# Altium PCB 运动控制板.PcbDoc (part 1 of 3)
Units mil, origin at the board's own origin, x right, y up, seen from the top; angles counter-clockwise.
Board outline 4921.26 x 3543.31 mil, 2 copper layers (Top Layer, Bottom Layer); 234 components, 177 nets, 792 pads, 437 vias.
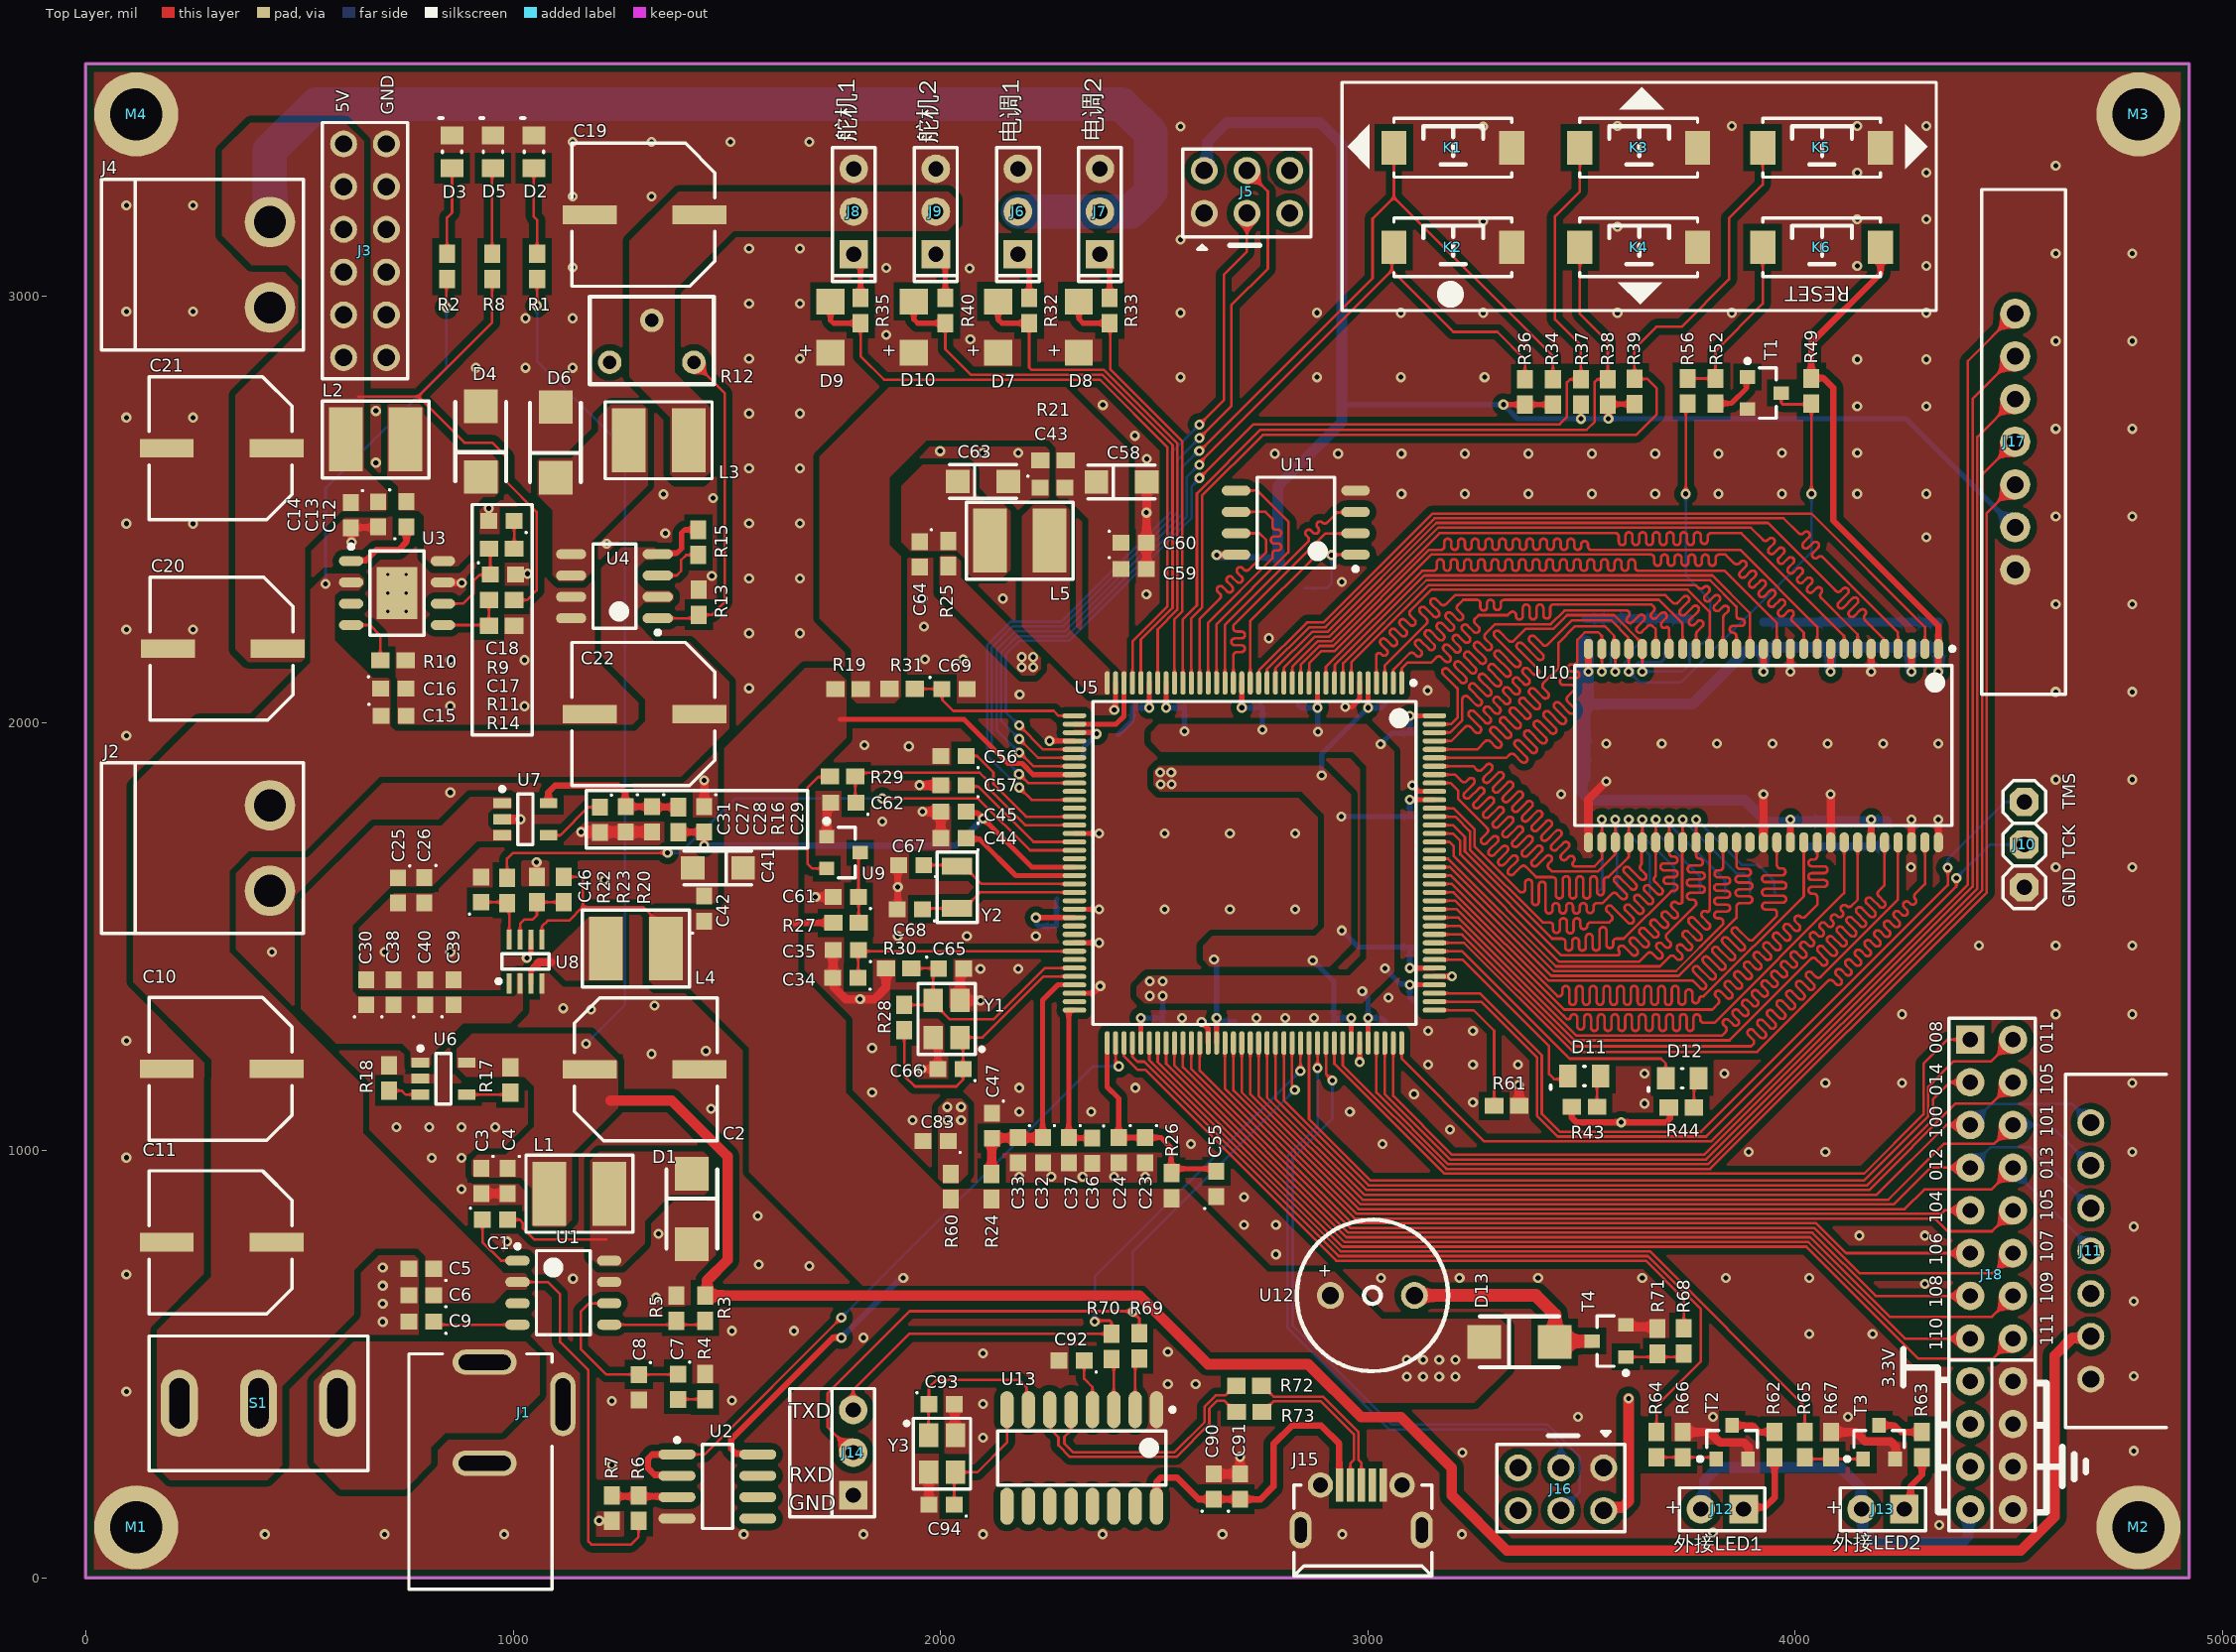
[diagram p0: Top Layer view]
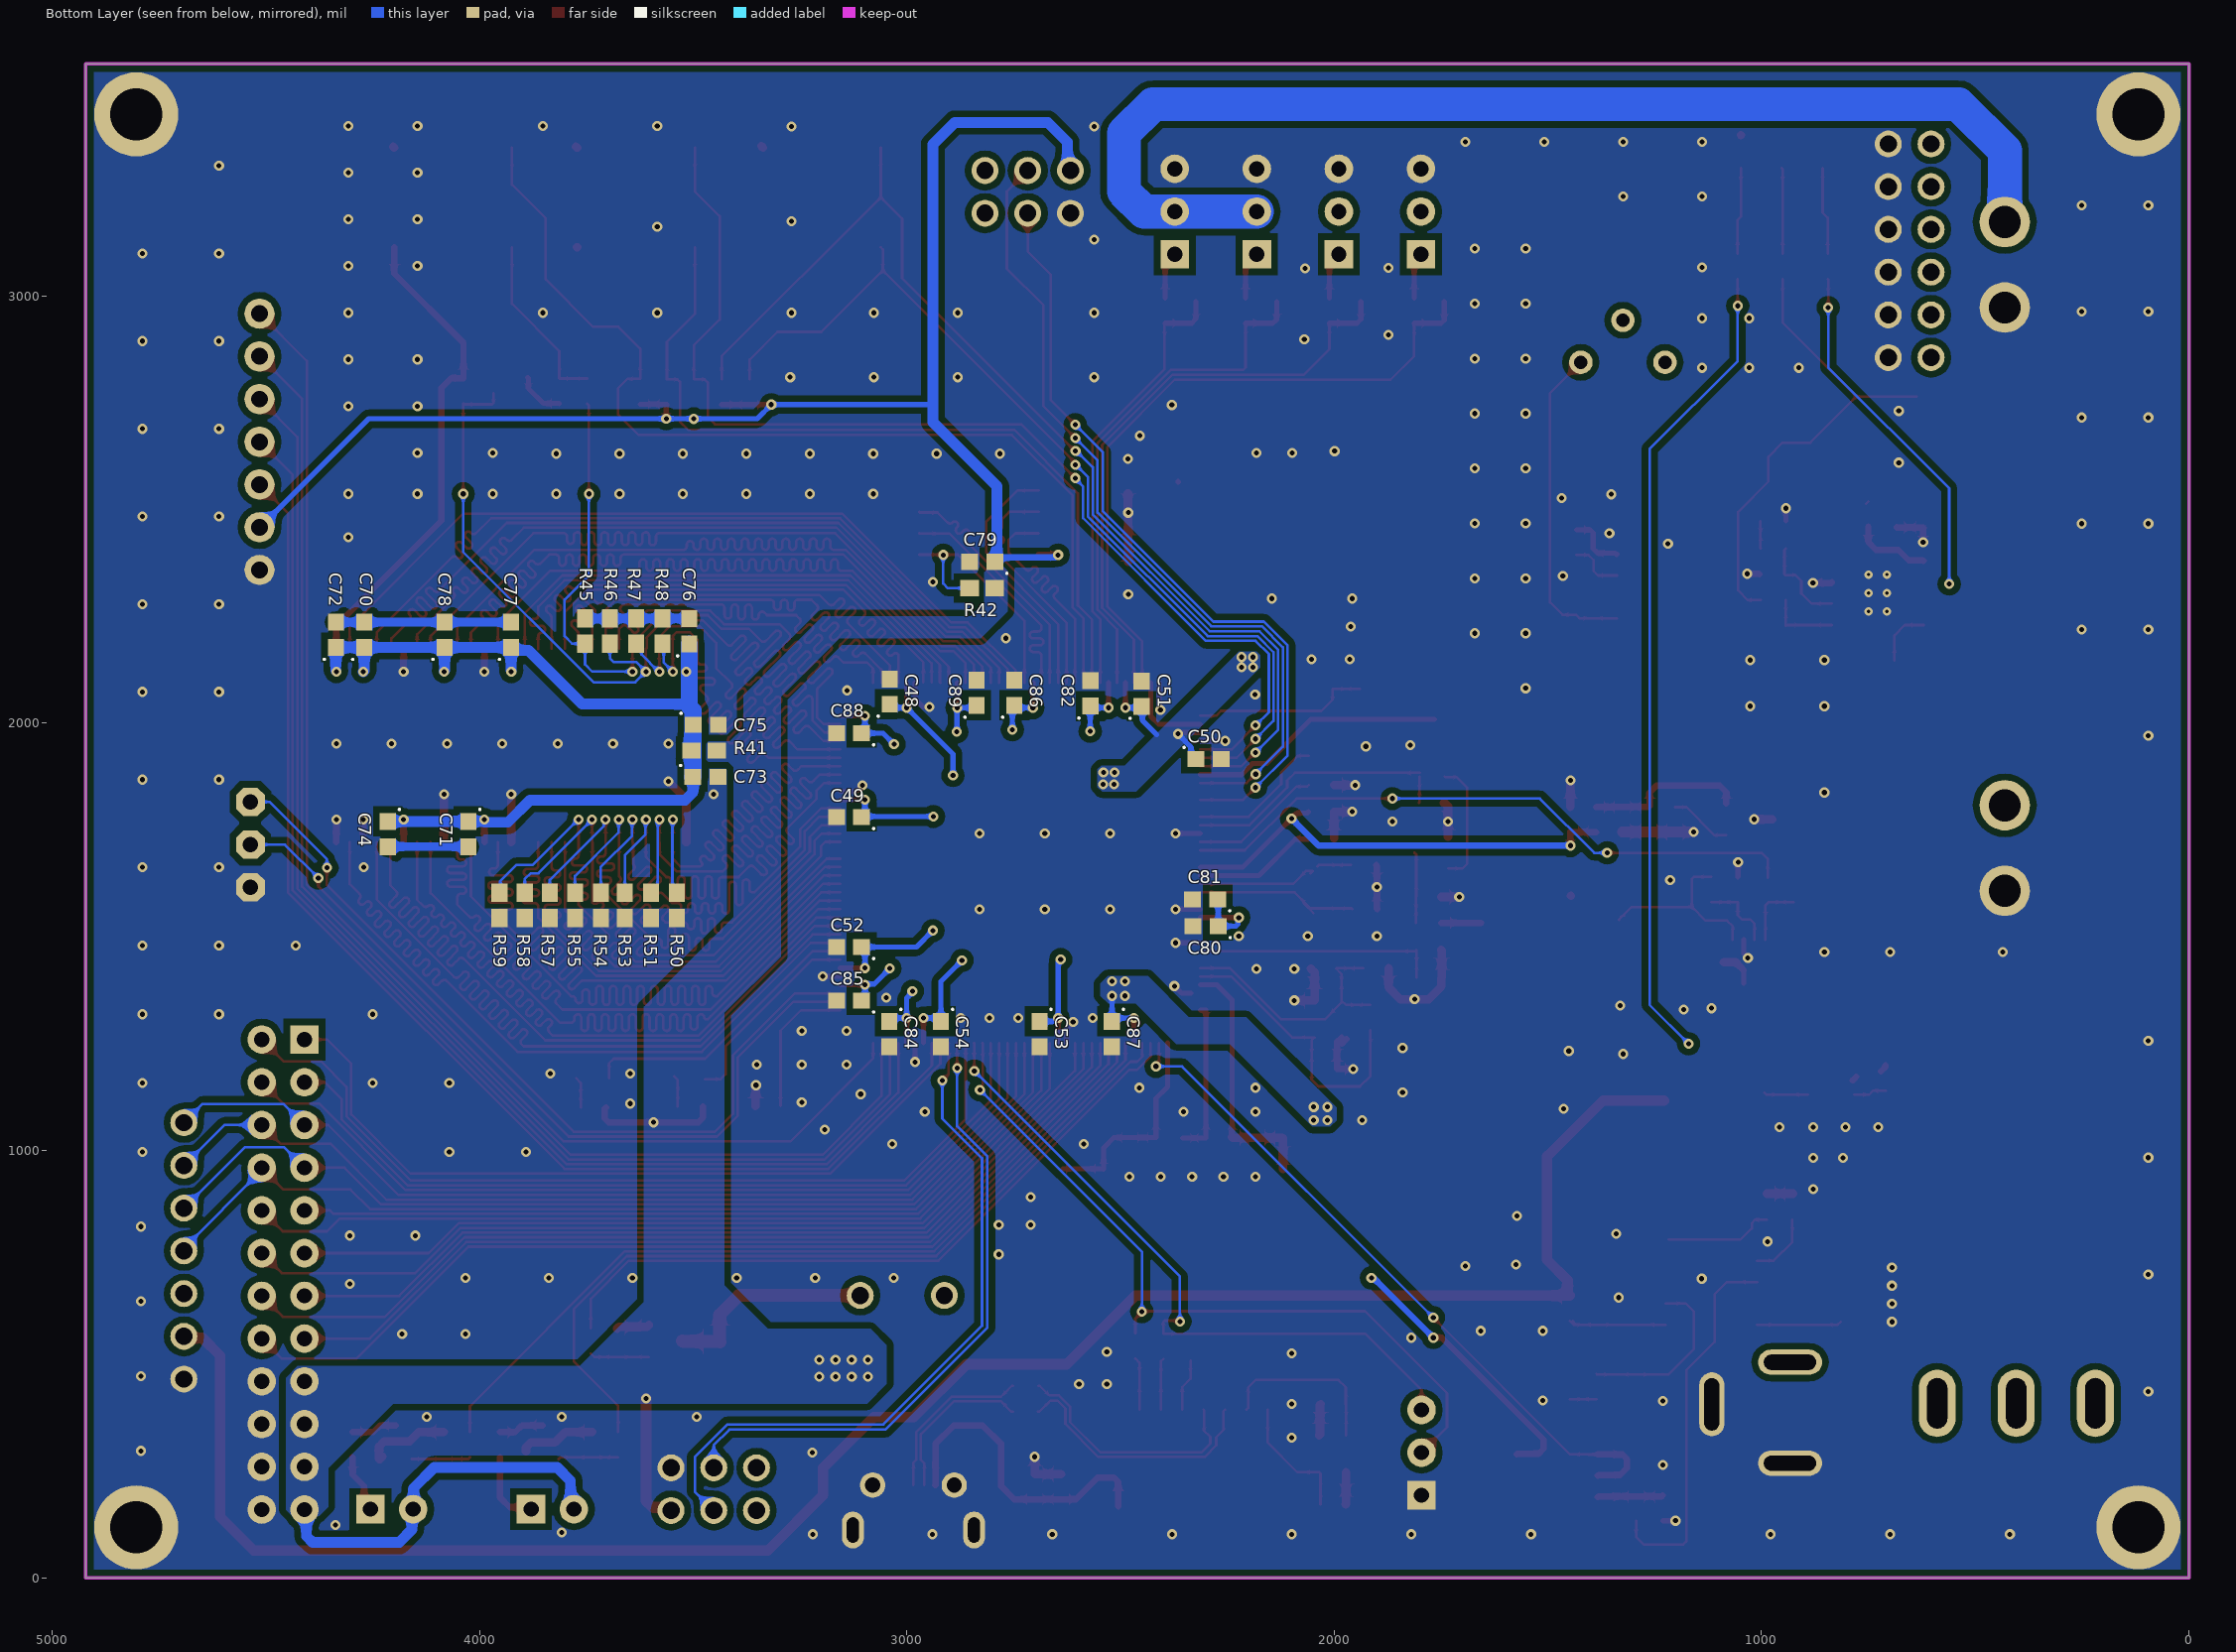
[diagram p1: Bottom Layer view, seen from below]

## Layer stack, top to bottom
Top Solder: solder mask 0.4, Solder Resist, Dk 3.5
Top Layer: signal copper 1.4
Dielectric1: dielectric 12.6, FR-4, Dk 4.8
Bottom Layer: signal copper 1.4
Bottom Solder: solder mask 0.4, Solder Resist, Dk 3.5

## Board outline
0,0 0,3543.31 4921.26,3543.31 4921.26,0

## Design rules (kind name [scope] priority, off if disabled: settings)
Clearance "Bottom GND" [InNamedPolygon('Bottom Layer All GND')] p1: gap=15 ignorepadtopadclearanceinfootprint=FALSE except(0: Arc-Hole Track-Hole SMDPad-Hole THPad-Hole Via-Hole Fill-Hole Poly-Hole Region-Hole Text-Hole)
Clearance "Top GND" [InNamedPolygon('Top Layer All GND')] p2: gap=15 ignorepadtopadclearanceinfootprint=FALSE except(0: Arc-Hole Track-Hole SMDPad-Hole THPad-Hole Via-Hole Fill-Hole Poly-Hole Region-Hole Text-Hole)
Clearance [All] p3: gap=5 ignorepadtopadclearanceinfootprint=FALSE except(0: Arc-Hole Track-Hole SMDPad-Hole THPad-Hole Via-Hole Fill-Hole Poly-Hole Region-Hole Text-Hole)
FabricationTestpoint [(IsPad And (OnTopLayer Or OnBottomLayer))] p1: side=3 testpointundercomponent=TRUE minsize=40 maxsize=100 preferedsize=60 minholesize=0 maxholesize=40 preferedholesize=32 testpointgrid=1 allowsidetop=TRUE allowsidebottom=TRUE usegrid=TRUE gridtolerance=0.01
HoleSize [All] p1: absolutevalues=TRUE maxlimit=300 minlimit=1 maxpercent=80.000 minpercent=20.000
Length ram_d [InNetClass('SDRAM_D')] p1: maxlimit=1901 minlimit=1900
Length flash [InNetClass('FLASH')] p2: maxlimit=600 minlimit=599
MinimumSolderMaskSliver [All] p1: minsoldermaskwidth=1
PlaneConnect [All] p1: planeconnectstyle=Direct reliefexpansion=20 reliefentries=4 reliefconductorwidth=10 reliefairgap=10
PolygonConnect [All] p1: connectstyle=Direct reliefconductorwidth=10 reliefentries=4 polygonreliefangle="90 Angle" airgapwidth=10
RoutingVias [All] p1: holewidth=11.81 width=23.62 viastyle="Through Hole" minholewidth=11.81 minwidth=23.62 maxholewidth=39.37 maxwidth=59.06
SilkToSilkClearance [All] p1: silktosilkclearance=0
SilkToSolderMaskClearance [IsPad] p1: minsilkscreentomaskgap=1 clearancetoexposedcopper=TRUE
SolderMaskExpansion [All] p1: expansion=4 istentingtop=FALSE
Width [All] p1: maxlimit=300 minlimit=5 preferedwidth=5
24 further rules are at their usual default settings.

## Classes and differential pairs
net class SDRAM_D: EMC_00 EMC_01 EMC_02 EMC_03 EMC_04 EMC_05 EMC_06 EMC_07 EMC_32 EMC_33 EMC_34 EMC_35 EMC_36 EMC_37 EMC_38 EMC_39
net class SDRAM_A: BT_CFG0 BT_CFG1 BT_CFG2 BT_CFG3 BT_CFG4 BT_CFG5 BT_CFG6 BT_CFG7 BT_CFG8 BT_CFG9 BT_MOD0 BT_MOD1 EMC_08 EMC_09 EMC_10 EMC_11 EMC_12 EMC_13 EMC_14 EMC_15 EMC_29 EMC_30 EMC_31
net class FLASH: FlexSPI_CLK FlexSPI_D0_A FlexSPI_D1_A FlexSPI_D2_A FlexSPI_D3_A
component class "04 板卡外部接口": C80 C81 C82 C83 C84 C85 C86 C87 C88 C89 C90 C91 C92 C93 C94 D13 J10 J11 J12 J13 J14 J15 J16 J17 J18 R60 R61 R62 R63 R64 R65 R66 R67 R68 R69 R70 R71 R72 R73 T2 T3 T4 U12 U13 Y3
component class "03 存储器扩展与BOOT": C70 C71 C72 C73 C74 C75 C76 C77 C78 C79 D7 D8 D9 D10 D11 D12 J5 J6 J7 J8 J9 K1 K2 K3 K4 K5 K6 R32 R33 R34 R35 R36 R37 R38 R39 R40 R41 R42 R43 R44 R45 R46 R47 R48 R49 R50 R51 R52 R53 R54 R55 R56 R57 R58 R59 T1 U10 U11
component class "02 MCU电源": C23 C24 C25 C26 C27 C28 C29 C30 C31 C32 C33 C34 C35 C36 C37 C38 C39 C40 C41 C42 C43 C44 C45 C46 C47 C48 C49 C50 C51 C52 C53 C54 C55 C56 C57 C58 C59 C60 C61 C62 C63 C64 C65 C66 C67 C68 C69 L4 L5 R16 R17 R18 R19 R20 R21 R22 R23 R24 R25 R26 R27 R28 R29 R30 R31 U5 U6 U7 U8 U9 Y1 Y2
component class "01 板卡电源": C1 C2 C3 C4 C5 C6 C7 C8 C9 C10 C11 C12 C13 C14 C15 C16 C17 C18 C19 C20 C21 C22 D1 D2 D3 D4 D5 D6 J1 J2 J3 J4 L1 L2 L3 M1 M2 M3 M4 R1 R2 R3 R4 R5 R6 R7 R8 R9 R10 R11 R12 R13 R14 R15 S1 U1 U2 U3 U4
from-to class sdram: "BT_CFG0 (U10-25 : U5-140)" "BT_CFG1 (U10-26 : U5-139)" "BT_CFG2 (U5-138 : U10-29)" "BT_CFG3 (U10-30 : U5-137)" "BT_CFG4 (U5-136 : U10-31)" "BT_CFG5 (U10-32 : U5-133)" "BT_CFG6 (U10-33 : U5-132)" "BT_CFG7 (U10-34 : U5-131)" "BT_CFG8 (U5-130 : U10-35)" "BT_CFG9 (U10-36 : U5-129)" "BT_MOD0 (U5-142 : U10-23)" "BT_MOD1 (U10-24 : U5-141)"

## Components (designator, comment, footprint, x,y, rotation, side; value= is the part's Value field where it differs from the comment)
C1 "0.1uF" cap0603 957.78,838.3 r0 top
C2 "470uF" CAP8X10.5MM 1182.64,1189.99 r180 top
C3 "0.1uF" cap0603 925.99,928.79 r270 top
C4 "0.1uF" cap0603 987.3,928.79 r270 top
C5 "0.1uF" cap0603 785.14,723.2 r180 top
C6 "0.1uF" cap0603 785.14,661.51 r180 top
C7 "0.1uF" cap0603 1385.99,447.22 r270 top
C8 "0.1uF" cap0603 1294.27,446.22 r270 top
C9 "0.1uF" cap0603 785.14,599.39 r180 top
C10 "470uF" CAP8X10.5MM 443.13,1190.95 r0 top
C11 "470uF" CAP8X10.5MM 443.13,785.34 r0 top
C12 "0.1uF" cap0603 750.34,2489.42 r90 top
C13 "0.1uF" cap0603 684.04,2488.85 r270 top
C14 "0.1uF" cap0603 620.51,2486.91 r270 top
C15 "0.1uF" cap0603 720.15,2017.35 r0 top
C16 "0.1uF" cap0603 719.15,2081.66 r0 top
C17 "0.1uF" cap0603 976.14,2348.68 r0 top
C18 "0.1uF" cap0603 972.85,2473.58 r180 top
C19 "470uF" CAP8X10.5MM 1432.64,3190.16 r0 top
C20 "470uF" Cap8x10.5mm 445.64,2174.79 r0 top
C21 "470uF" CAP8X10.5MM 443.13,2643.99 r0 top
C22 "470uF" Cap8x10.5mm 1432.64,2021.79 r0 top
C23 "0.1uF" cap0603 2478.66,1000.74 r270 top
C24 "0.1uF" cap0603 2416.97,1000.74 r270 top
C25 "0.1uF" cap0603 730.89,1608.69 r270 top
C26 "0.1uF" cap0603 792.36,1609.59 r270 top
C27 "0.1uF" cap0603 1263.8,1775.16 r270 top
C28 "0.1uF" cap0603 1325.49,1775.16 r270 top
C29 "0.1uF" cap0603 1447.26,1775.27 r270 top
C30 "0.1uF" cap0603 655.94,1370.53 r90 top
C31 "0.1uF" cap0603 1202.96,1774.27 r270 top
C32 "0.1uF" cap0603 2239.65,1000.74 r270 top
C33 "0.1uF" cap0603 2181.35,1000.74 r270 top
C34 "0.1uF" cap0603 1777.62,1404.58 r180 top
C35 "0.1uF" cap0603 1778.62,1469.27 r180 top
C36 "0.1uF" cap0603 2354.55,999.74 r270 top
C37 "0.1uF" cap0603 2300.04,1000.74 r270 top
C38 "0.1uF" cap0603 719.85,1370.53 r90 top
C39 "0.1uF" cap0603 860.64,1370.53 r90 top
C40 "0.1uF" cap0603 794.26,1370.53 r90 top
C41 "22uF" CASE-A_3216 1479.12,1661.2 r0 top
C42 "0.1uF" cap0603 1446.78,1566.53 r90 top
C43 "0.1uF" cap0603 2262.07,2551.32 r0 top
C44 "0.1uF" cap0603 2030.22,1731.04 r180 top
C45 "0.1uF" cap0603 2030.22,1793.11 r180 top
C46 "0.1uF" cap0603 924.96,1610.86 r90 top
C47 "0.1uF" cap0603 2120.01,1058.21 r270 top
C48 "0.1uF" cap0603 3040.02,2074.23 r90 bottom
C49 "0.1uF" cap0603 3135.23,1780.67 r0 bottom
C50 "0.1uF" cap0603 2293.77,1916.4 r180 bottom
C51 "0.1uF" cap0603 2450.71,2069.23 r90 bottom
C52 "0.1uF" cap0603 3135.23,1476.37 r0 bottom
C53 "0.1uF" cap0603 2689.75,1272.77 r270 bottom
C54 "0.1uF" cap0603 2920.06,1272.77 r270 bottom
C55 "0.1uF" cap0603 2645.29,921.99 r90 top
C56 "0.1uF" cap0603 2030.22,1923.42 r180 top
C57 "0.1uF" cap0603 2030.22,1855.21 r180 top
C58 "22uF" CASE-A_3216 2423.74,2564.9 r180 top
C59 "4.7uF" cap0603 2452.26,2360.61 r0 top
C60 "0.22uF" cap0603 2452.26,2422.48 r0 top
C61 "0.1uF" cap0603 1778.62,1593.54 r180 top
C62 "0.1uF" cap0603 1772.62,1813.93 r180 top
C63 "33uF" CASE-A_3216 2099.45,2566.21 r180 top
C64 "0.22uF" cap0603 1951.48,2395.45 r270 top
C65 "12pF" cap0603 2025.12,1425.76 r0 top
C66 "12pF" cap0603 2023.22,1190.73 r180 top
C67 "12.5pF" cap0603 1931.24,1668.23 r180 top
C68 "12.5pF" cap0603 1928.24,1564.66 r180 top
C69 "0.22uF" cap0603 2033.03,2080.41 r0 top
C70 "0.1uF" cap0603 4269.45,2207.18 r90 bottom
C71 "0.1uF" cap0603 4026.17,1740.82 r270 bottom
C72 "0.1uF" cap0603 4336.14,2207.18 r90 bottom
C73 "0.1uF" cap0603 3471.82,1874.31 r180 bottom
C74 "0.1uF" cap0603 4214.48,1740.82 r270 bottom
C75 "0.1uF" cap0603 3470.7,1996.4 r180 bottom
C76 "0.1uF" cap0603 3509.38,2215.18 r90 bottom
C77 "0.1uF" cap0603 3926.07,2207.18 r90 bottom
C78 "0.1uF" cap0603 4081.76,2207.18 r90 bottom
C79 "0.1uF" cap0603 2823.6,2377.92 r0 bottom
C80 "0.1uF" cap0603 2301.06,1525.4 r0 bottom
C81 "0.1uF" cap0603 2302.06,1588.19 r0 bottom
C82 "0.1uF" cap0603 2570.29,2069.76 r90 bottom
C83 "0.1uF" cap0603 1988.47,1022.73 r180 top
C84 "0.1uF" cap0603 3041.02,1272.77 r270 bottom
C85 "0.1uF" cap0603 3135.23,1351.33 r0 bottom
C86 "0.1uF" cap0603 2748.6,2071.76 r90 bottom
C87 "0.1uF" cap0603 2520.33,1272.77 r270 bottom
C88 "0.1uF" cap0603 3135.23,1976.78 r0 bottom
C89 "0.1uF" cap0603 2836.91,2071.76 r90 bottom
C90 "0.1uF" cap0603 2639.13,213.43 r90 top
C91 "0.1uF" cap0603 2700.82,213.43 r90 top
C92 "0.1uF" cap0603 2306.57,508.51 r180 top
C93 "12pF" cap0603 2002.43,406.25 r0 top
C94 "12pF" cap0603 2002.57,171.44 r180 top
D1 "SS54" SMA(DO-214AC) 1417.84,863.09 r270 top
D2 "LED" LED 1048.44,3337.64 r90 top
D3 "LED" LED 857.21,3337.64 r90 top
D4 "SS54" SMA(DO-214AC) 924.46,2659.19 r90 top
D5 "LED" LED 952.83,3337.64 r90 top
D6 "SS54" SMA(DO-214AC) 1099.5,2657.5 r90 top
D7 "ZMM3V3" LL34 2134.63,2927.2 r90 top
D8 "ZMM3V3" LL34 2323.63,2927.2 r90 top
D9 "ZMM3V3" LL34 1742.63,2927.2 r90 top
D10 "ZMM3V3" LL34 1937.63,2927.2 r90 top
D11 "LED" LED 3506.36,1174.21 r180 top
D12 "LED" LED 3735.36,1169.21 r180 top
D13 "SS54" SMA(DO-214AC) 3354.64,551.79 r0 top
J1 "DC输入插座" DC_IN 933.32,-26.95 r90 top
J2 "接插件1" 5.08_2P 430.94,1807.98 r270 top
J3 "2x6" 2*8 603.43,3355.98 r0 top
J4 "接插件1" 5.08_2P 430.94,3173.28 r270 top
J5 "2x6" LQ256Encoder 2817.1,3293.87 r270 top
J6 "1X3" HDR-1X3 2181.11,3097.79 r90 top
J7 "1X3" HDR-1X3 2373.14,3097.79 r90 top
J8 "1X3" HDR-1X3 1797.04,3097.79 r90 top
J9 "1X3" HDR-1X3 1989.07,3097.79 r90 top
J10 "1X3" HDR-1X3_SWD 4535.82,1816.02 r270 top
J11 "无线串口模块" uart_nrf24l01 4691.62,765.16 r0 top
J12 "1x2" HDR-1X2 3879.21,160.64 r180 top
J13 "1x2" HDR-1X2 4255.21,160.64 r180 top
J14 "1X3" HDR-1X3 1795.72,192.98 r90 top
J15 "USB_micro_b" USB_micro_b 2984.54,217.01 r270 top
J16 "2x3" LQ256Encoder 3351.68,157.51 r90 top
J17 "1X5m" LQ_OLED128X64去丝印 4514.65,2658.78 r90 top locked
J18 "2x12" HDR-2x12 4409.45,1259.84 r270 top
K1 "KEY" key 3198.79,3347.25 r0 top
K2 "KEY" key 3198.79,3114.06 r0 top
K3 "KEY" key 3633.79,3347.25 r0 top
K4 "KEY" key 3633.79,3114.06 r0 top
K5 "KEY" key 4061.68,3347.25 r0 top
K6 "KEY" key 4061.68,3114.06 r0 top
L1 "10uH" CD43 1155.02,898.78 r270 top
L2 "10uH" CD43 678.3,2664.47 r270 top
L3 "33uH" CD43 1340.57,2662.47 r90 top
L4 "1uH" CD43 1287.32,1472.72 r90 top
L5 "4.7uH" CD43 2185.41,2427.54 r270 top
M1 "螺丝孔" 螺丝孔#1 113.16,123.42 r0 top
M2 "螺丝孔" 螺丝孔#2 5013.83,123.42 r0 top
M3 "螺丝孔" 螺丝孔#3 4993.24,3430.5 r0 top
M4 "螺丝孔" 螺丝孔#4 12.02,3548.61 r0 top
R1 "1K" res0603 1056.31,3069.17 r90 top
R2 "1K" res0603 845.39,3069.17 r90 top
R3 "10.2K" res0603 1449.1,631.11 r270 top
R4 "21K" res0603 1449.1,447.54 r90 top
R5 "1.91K" res0603 1381.79,631.11 r90 top
R6 "30K" res0603 1293.54,163.11 r90 top
R7 "10K" res0603 1231.3,163.11 r270 top
R8 "1K" res0603 950.85,3069.17 r90 top
R9 "16.9K" res0603 972.82,2408.99 r0 top
R10 "243K" res0603 718.76,2147.07 r0 top
R11 "53.6K" res0603 972.82,2288.38 r180 top
R12 "10K" 3266W 1324.51,2844.82 r0 top
R13 "1K" res0603 1434.3,2283.33 r270 top
R14 "10.2K" res0603 972.82,2228.07 r0 top
R15 "2.7K" res0603 1433.3,2423.33 r270 top
R16 "0R" res0603 1386.86,1774.24 r270 top
R17 "4.7K" res0603 993.66,1165.2 r270 top
R18 "6.8K" res0603 709.75,1169.8 r90 top
R19 "0R" res0603 1783.82,2079.92 r0 top
R20 "200K" res0603 1118.14,1610.89 r270 top
R21 "1K" res0603 2263.11,2614.9 r0 top
R22 "10K" res0603 985.75,1608.89 r270 top
R23 "44.2K" res0603 1055.67,1610.89 r90 top
R24 "0R" res0603 2119.48,915.82 r90 top
R25 "0R" res0603 2017.99,2397.45 r270 top
R26 "0R" res0603 2540.7,918.11 r90 top
R27 "2K" res0603 1778.94,1533.13 r0 top
R28 "1M" res0603 1915.08,1311.19 r270 top
R29 "2K" res0603 1770.94,1875.54 r0 top
R30 "2.2M" res0603 1902.19,1426.51 r180 top
R31 "30K" res0603 1909.94,2080.61 r180 top
R32 "2K" res0603 2207.5,2966.02 r90 top
R33 "2K" res0603 2395.65,2966.02 r90 top
R34 "1K" res0603 3433.1,2775.45 r90 top
R35 "2K" res0603 1812.94,2966.02 r90 top
R36 "1K" res0603 3367.7,2775.45 r90 top
R37 "1K" res0603 3498.5,2775.45 r90 top
R38 "1K" res0603 3561.31,2775.45 r90 top
R39 "1K" res0603 3623.91,2776.45 r90 top
R40 "2K" res0603 2011.34,2966.02 r90 top
R41 "0R" res0603 3474.21,1936.03 r0 bottom
R42 "10K" res0603 2823.63,2316.32 r0 bottom
R43 "1K" res0603 3506.64,1102.79 r0 top
R44 "1K" res0603 3733.64,1100.79 r0 top
R45 "10K" res0603 3752.91,2215.86 r270 bottom
R46 "10K" res0603 3694.7,2215.86 r270 bottom
R47 "10K" res0603 3633.5,2215.86 r270 bottom
R48 "10K" res0603 3571.7,2215.86 r270 bottom
R49 "1K" res0603 4037.46,2777.45 r270 top
R50 "10K" res0603 3538.21,1574.09 r90 bottom
R51 "10K" res0603 3598.9,1574.09 r90 bottom
R52 "10K" res0603 3813.3,2777.45 r270 top
R53 "10K" res0603 3659.9,1574.09 r90 bottom
R54 "10K" res0603 3715.9,1574.09 r90 bottom
R55 "10K" res0603 3776.62,1574.09 r90 bottom
R56 "1K" res0603 3747.94,2777.45 r90 top
R57 "10K" res0603 3835.5,1574.09 r90 bottom
R58 "10K" res0603 3894.09,1574.09 r90 bottom
R59 "10K" res0603 3953.3,1574.09 r90 bottom
R60 "0R" res0603 2024.44,915.82 r90 top
R61 "10K" res0603 3324.9,1104.66 r0 top
R62 "1K" res0603 3951.64,311.52 r90 top
R63 "1K" res0603 4296.74,311.52 r90 top
R64 "1K" res0603 3675.36,311.52 r270 top
R65 "1K" res0603 4022.36,311.52 r270 top
R66 "10K" res0603 3736.64,311.52 r90 top
R67 "10K" res0603 4083.64,311.52 r90 top
R68 "1K" res0603 3739.36,554.21 r270 top
R69 "1K" res0603 2465.24,542.82 r270 top
R70 "1K" res0603 2400.08,541.54 r270 top
R71 "10K" res0603 3677.64,553.79 r90 top
R72 "1K" res0603 2721.54,449.32 r180 top
R73 "1K" res0603 2722.54,388.72 r180 top
S1 "小型扭子开关" 3p-switch 404.08,408.39 r270 top
T1 "s8050" SOT-23-3 3927.76,2772.98 r0 top
T2 "s8050" SOT-23-3 3852.21,317.42 r90 top
T3 "s8050" SOT-23-3 4196.21,317.42 r90 top
T4 "s8050" SOT-23-3 3564.36,554.21 r180 top
U1 "TPS54231DR" SOIC-8_150mil 1117.64,667.29 r0 top
U2 "LMV358" OPA2350 1477.98,213.83 r0 top
U3 "TPS54560DDAR" SOIC-8_EP_150mil 728.35,2304.93 r0 top
U4 "AS1015KBT" SOP18-AS1015 1237.12,2320.87 r180 top
U5 "RT1021DAG5A" LQFP144 2734.59,1673.18 r270 top locked
U6 "MT9700" SOT23-5 837.15,1168.28 r0 top
U7 "RT9193-33GB" SOT23-5 1028.72,1775.35 r0 top
U8 "MP2144GJ-Z" TSOT23-8 1029.22,1442.46 r90 top
U9 "NCP803SN293T1G" SOT-23-3 1773.04,1697.31 r0 top
U10 "W9825G6KH-6" TSOP(II)-54 3925.54,1947.85 r270 top locked
U11 "W25Q64J" SOIC8-208mil 2831.42,2469.69 r180 top locked
U12 "beep" beep 3010.64,660.79 r0 top locked
U13 "CH340G" SOP-16_150mil 2330.54,280.44 r270 top
Y1 "24MHz" SMD3225 2014.39,1307.98 r90 top value=24M
Y2 "32.768K" SMD3215 2039.1,1616.02 r270 top
Y3 "12M" SMD3225 2003.46,290.54 r270 top
